# Altium PCB 2-quilter-output.PcbDoc (part 8 of 26) (continued)
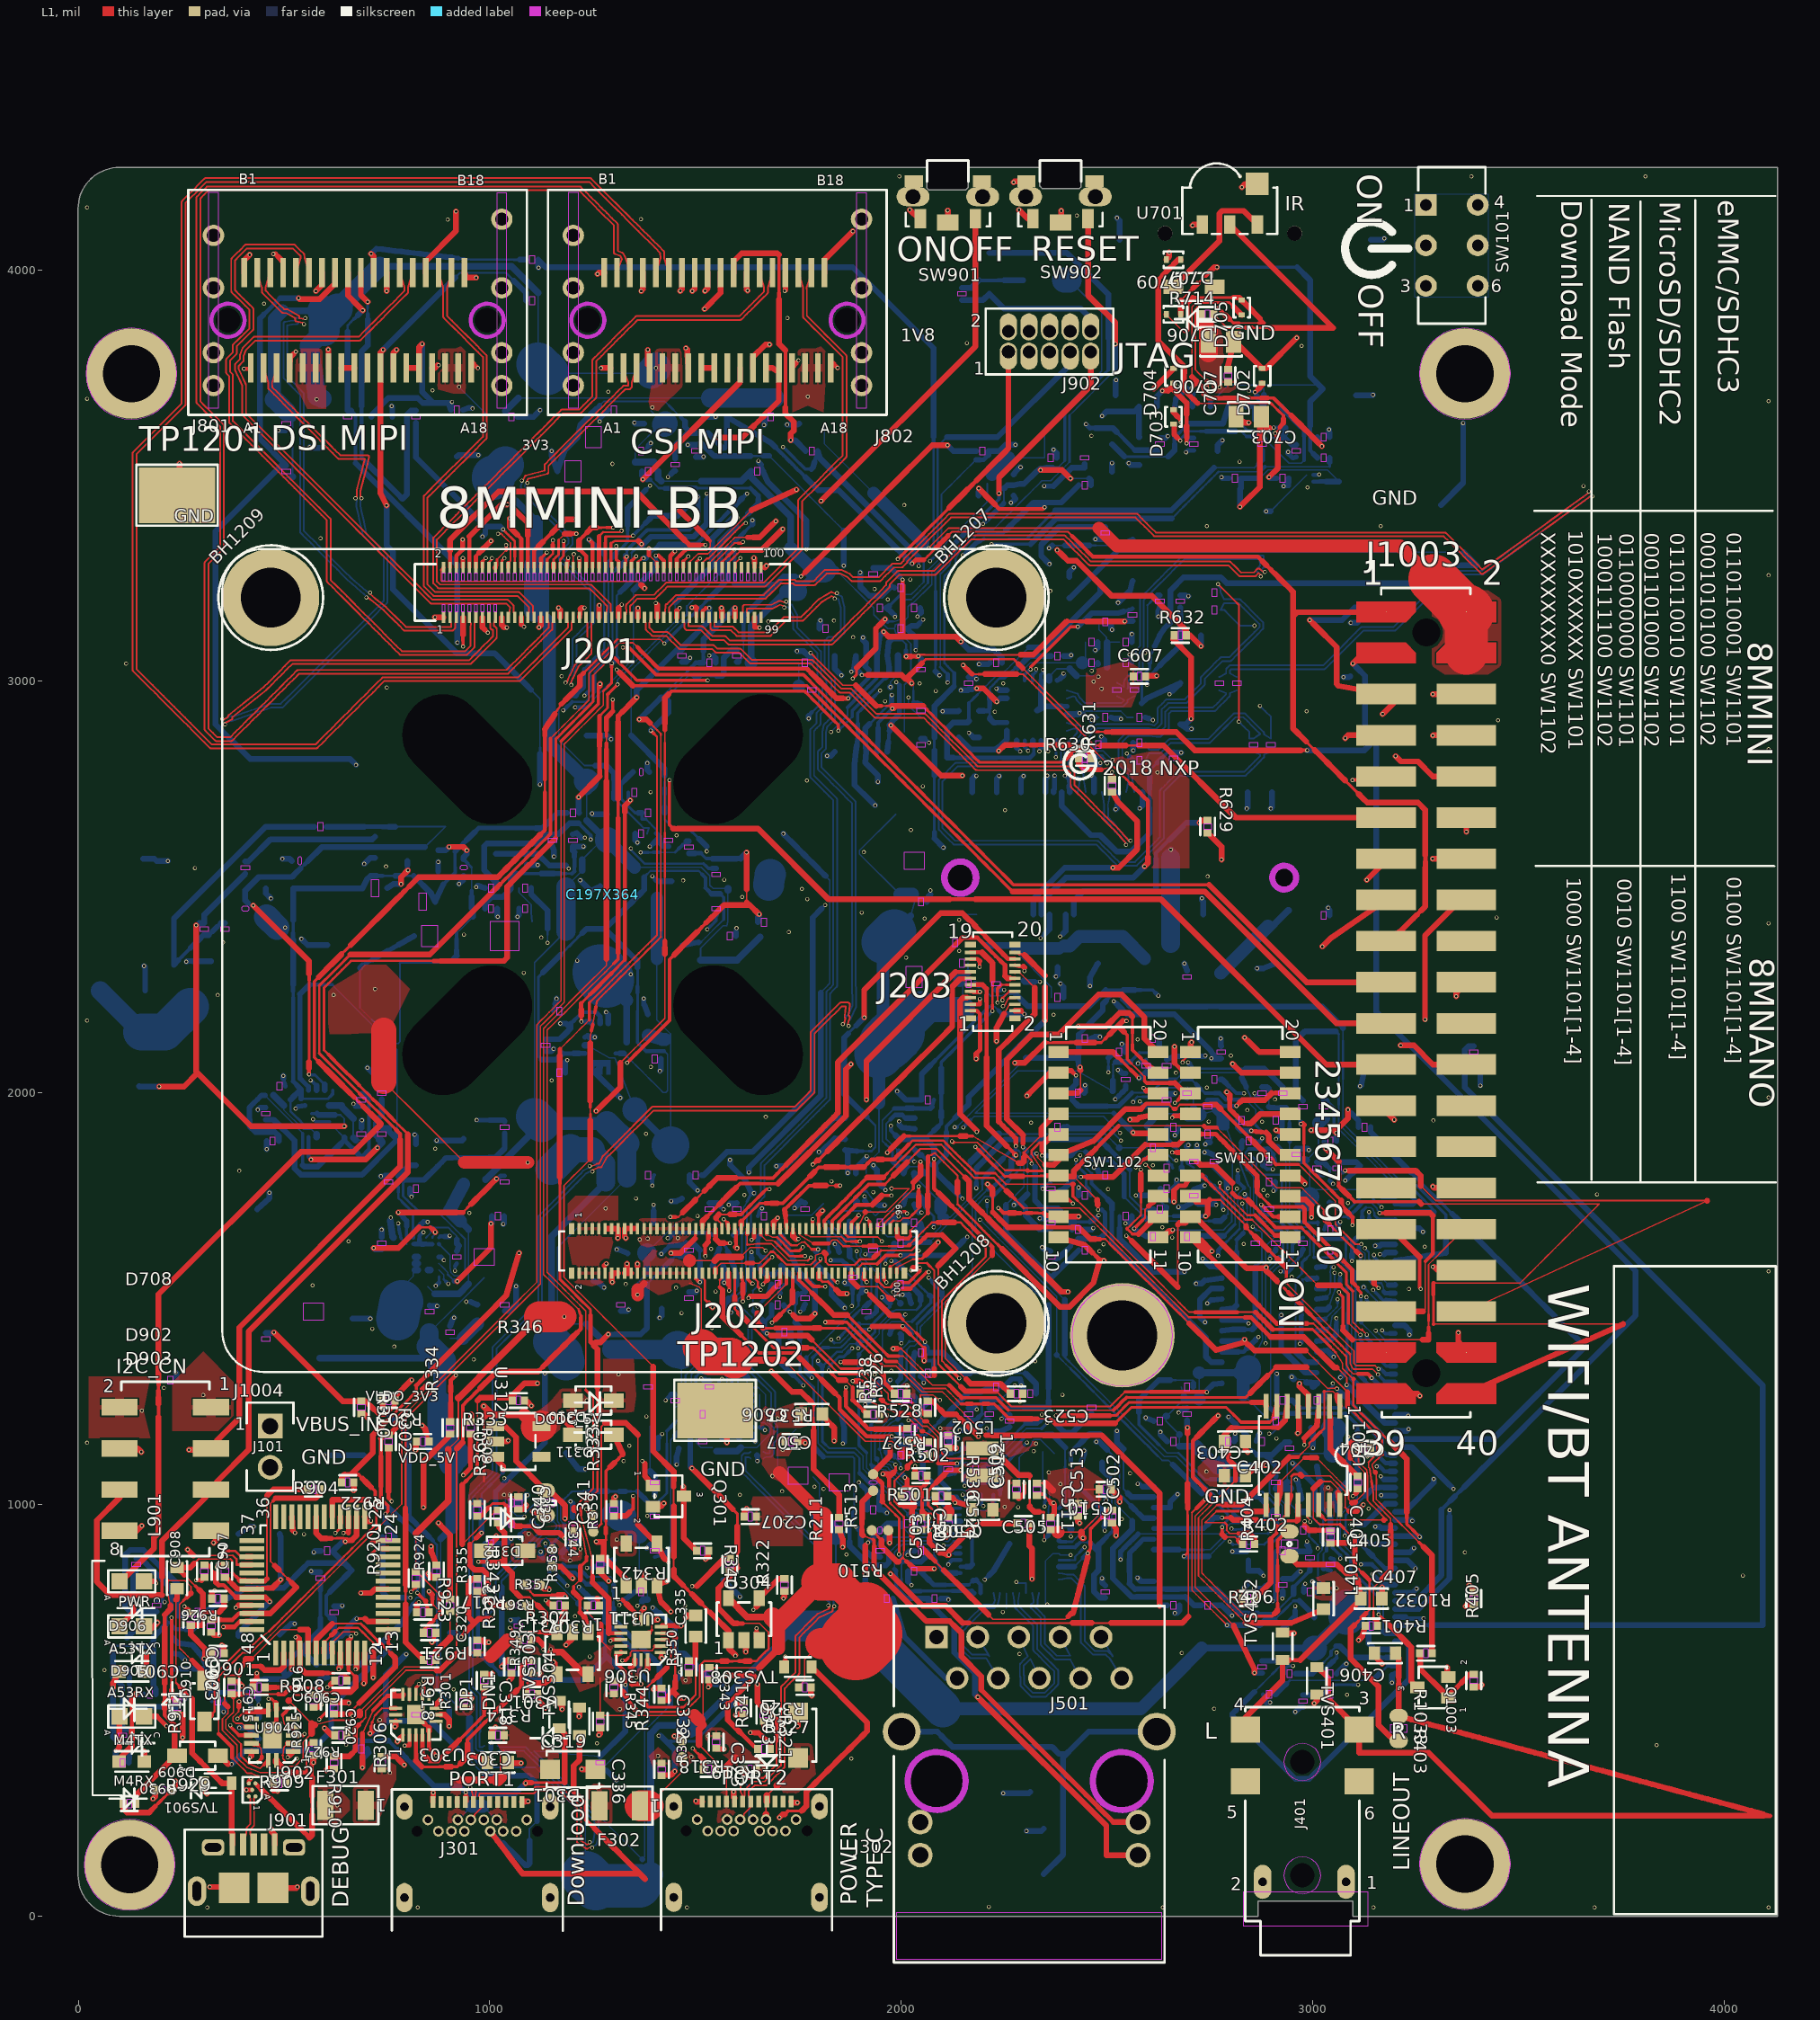
[diagram p0: L1 view]
## Nets (pads, with @x,y where several pads share a name; then routed paths per layer and width w, separated by ;. In a path a pad name is that pad's centre, name@x,y a point inside that pad or via, vN(x,y) a via of type N, cw(c..) or ccw(c..) an arc to the next point about the centre after c; other vN are vias at no path point) (continued)
ETH_TRX1_P: J501.7 U501.14 | length 262.5
  L8 w4.28: U501.14@2334.92,784.12 2333.3,774.62 2331.69,765.13 2331.76,758.29 2331.76,758.16 2331.75,758.04 2331.74,757.92 2331.73,757.79 2331.72,757.67 2331.7,757.55 2331.68,757.43 2331.66,757.31 2331.64,757.19 2331.61,757.07 2331.57,756.96 2331.54,756.84 2331.5,756.72 2331.46,756.61 2331.42,756.5 2331.37,756.38 2331.32,756.27 2331.26,756.16 2331.21,756.05 2331.15,755.95 2331.09,755.84 2331.02,755.74 2330.96,755.64 2330.89,755.54 2330.81,755.44 2330.74,755.34 2330.66,755.25 2330.58,755.16 2330.5,755.07 2330.42,754.98 2330.33,754.89 2330.24,754.81 2330.15,754.73 2330.05,754.65 2329.96,754.57 2329.86,754.5 2329.76,754.43 2329.66,754.36 2329.56,754.3 2329.45,754.23 2329.35,754.17 2324.81,751.68 2336.36,740.13 2347.91,728.58 2347.98,728.5 2348.06,728.41 2348.14,728.32 2348.22,728.23 2348.3,728.13 2348.37,728.04 2348.44,727.94 2348.51,727.84 2348.58,727.73 2348.64,727.63 2348.7,727.52 2348.76,727.41 2348.81,727.3 2348.86,727.19 2348.91,727.08 2348.95,726.97 2349,726.85 2349.04,726.74 2349.07,726.62 2349.11,726.5 2349.14,726.39 2349.16,726.27 2349.19,726.15 2349.21,726.03 2349.23,725.91 2349.24,725.79 2349.25,725.66 2349.26,725.54 2349.26,725.42 2349.27,725.3 2349.27,709.31 2349.27,693.32 2349.27,677.33 2349.27,661.35 2359.02,651.59 2368.78,641.84 2378.53,632.08 2394.9,632.08 2411.26,632.08 2402.93,647.2 2394.59,662.32 J501.7@2386.26,677.44
ETH_TRX2_N: J501.6 U501.18 | length 470.3
  L8 w4.28: U501.18@2271.92,784.12 2273.54,774.46 2275.17,764.8 2275.96,751.41 2275.97,751.29 2275.99,751.17 2276,751.05 2276.02,750.93 2276.04,750.81 2276.07,750.69 2276.09,750.57 2276.12,750.45 2276.16,750.33 2276.19,750.22 2276.24,750.1 2276.28,749.99 2276.32,749.88 2276.37,749.76 2276.43,749.65 2276.48,749.54 2276.54,749.44 2276.6,749.33 2276.66,749.23 2276.73,749.12 2276.8,749.02 2276.87,748.92 2276.94,748.83 2277.02,748.73 2277.1,748.64 2277.18,748.55 2277.26,748.46 2277.32,748.41 2288.36,737.36 2299.4,726.32 2310.45,715.27 2321.49,704.23 2321.49,689.74 2321.49,675.26 2321.49,660.78 2321.49,646.3 2321.5,646.18 2321.5,646.05 2321.51,645.93 2321.52,645.81 2321.53,645.69 2321.55,645.57 2321.57,645.45 2321.6,645.33 2321.62,645.21 2321.65,645.09 2321.69,644.97 2321.72,644.86 2321.76,644.74 2321.8,644.63 2321.85,644.52 2321.9,644.4 2321.95,644.29 2322,644.18 2322.06,644.08 2322.12,643.97 2322.18,643.86 2322.25,643.76 2322.32,643.66 2322.39,643.56 2322.46,643.46 2322.54,643.37 2322.61,643.27 2322.69,643.18 2322.78,643.09 2322.85,643.02 2335.25,630.62 2347.65,618.22 2360.05,605.81 2372.46,593.41 2372.46,579.56 2372.46,565.7 2360.41,553.65 2348.37,541.61 2334.35,541.61 2320.34,541.61 2309.92,552.03 2299.5,562.45 2299.5,572.26 2299.5,582.06 2299.5,582.19 2299.49,582.31 2299.48,582.43 2299.47,582.55 2299.46,582.67 2299.44,582.79 2299.42,582.91 2299.4,583.03 2299.37,583.15 2299.34,583.27 2299.31,583.39 2299.27,583.5 2299.23,583.62 2299.19,583.73 2299.14,583.85 2299.09,583.96 2299.04,584.07 2298.99,584.18 2298.93,584.29 2298.87,584.39 2298.81,584.5 2298.74,584.6 2298.68,584.7 2298.61,584.8 2298.53,584.9 2298.46,584.99 2298.38,585.09 2298.3,585.18 2298.21,585.27 2298.14,585.34 2298.04,585.45 2298.04,596.55 2298.04,607.65 2306.29,615.91 2314.54,624.16 2321.78,608.59 2329.02,593.01 J501.6@2336.26,577.44
ETH_TRX2_P: J501.5 U501.17 | length 507.8
  L8 w4.28: J501.5@2286.26,677.44 2293.5,661.87 2300.74,646.29 2307.98,630.72 2299.05,621.79 2290.11,612.86 2290.03,612.77 2289.95,612.68 2289.87,612.59 2289.79,612.5 2289.71,612.4 2289.64,612.3 2289.57,612.2 2289.5,612.1 2289.44,612 2289.37,611.89 2289.32,611.79 2289.26,611.68 2289.21,611.57 2289.15,611.46 2289.11,611.35 2289.06,611.23 2289.02,611.12 2288.98,611 2288.94,610.89 2288.91,610.77 2288.88,610.65 2288.85,610.53 2288.83,610.41 2288.81,610.29 2288.79,610.17 2288.78,610.05 2288.77,609.93 2288.76,609.81 2288.76,609.68 2288.76,609.58 2288.76,596.55 2288.76,583.53 2288.76,583.4 2288.76,583.28 2288.77,583.16 2288.78,583.04 2288.8,582.92 2288.81,582.8 2288.83,582.68 2288.86,582.56 2288.89,582.44 2288.91,582.32 2288.95,582.2 2288.98,582.09 2289.02,581.97 2289.07,581.86 2289.11,581.74 2289.16,581.63 2289.21,581.52 2289.27,581.41 2289.32,581.3 2289.38,581.2 2289.44,581.09 2289.51,580.99 2289.58,580.89 2289.65,580.79 2289.72,580.69 2289.8,580.6 2289.88,580.5 2289.96,580.41 2290.04,580.32 2290.11,580.24 2290.22,580.14 2290.22,570.33 2290.22,560.53 2290.22,560.41 2290.22,560.28 2290.23,560.16 2290.24,560.04 2290.26,559.92 2290.28,559.8 2290.3,559.68 2290.32,559.56 2290.35,559.44 2290.38,559.32 2290.41,559.21 2290.45,559.09 2290.49,558.97 2290.53,558.86 2290.57,558.75 2290.62,558.63 2290.67,558.52 2290.73,558.41 2290.78,558.31 2290.84,558.2 2290.91,558.1 2290.97,557.99 2291.04,557.89 2291.11,557.79 2291.18,557.69 2291.26,557.6 2291.34,557.5 2291.42,557.41 2291.5,557.32 2291.58,557.25 2303.36,545.47 2315.14,533.69 2315.22,533.6 2315.31,533.52 2315.41,533.44 2315.5,533.36 2315.6,533.29 2315.69,533.21 2315.79,533.14 2315.89,533.07 2316,533.01 2316.1,532.95 2316.21,532.89 2316.32,532.83 2316.43,532.78 2316.54,532.73 2316.65,532.68 2316.76,532.63 2316.88,532.59 2316.99,532.55 2317.11,532.52 2317.23,532.48 2317.34,532.45 2317.46,532.43 2317.58,532.4 2317.7,532.38 2317.82,532.37 2317.95,532.35 2318.07,532.34 2318.19,532.33 2318.31,532.33 2318.42,532.33 2334.35,532.33 2350.29,532.33 2350.41,532.33 2350.53,532.34 2350.66,532.34 2350.78,532.35 2350.9,532.37 2351.02,532.39 2351.14,532.41 2351.26,532.43 2351.38,532.46 2351.5,532.49 2351.61,532.52 2351.73,532.56 2351.84,532.6 2351.96,532.64 2352.07,532.68 2352.18,532.73 2352.29,532.78 2352.4,532.84 2352.51,532.9 2352.62,532.96 2352.72,533.02 2352.83,533.08 2352.93,533.15 2353.03,533.22 2353.12,533.29 2353.22,533.37 2353.31,533.45 2353.4,533.53 2353.49,533.61 2353.57,533.69 2366.97,547.09 2380.38,560.49 2380.46,560.58 2380.54,560.67 2380.62,560.76 2380.7,560.86 2380.78,560.95 2380.85,561.05 2380.92,561.15 2380.99,561.25 2381.05,561.35 2381.12,561.46 2381.18,561.57 2381.23,561.67 2381.29,561.78 2381.34,561.89 2381.39,562.01 2381.43,562.12 2381.47,562.23 2381.51,562.35 2381.55,562.47 2381.58,562.58 2381.61,562.7 2381.64,562.82 2381.66,562.94 2381.68,563.06 2381.7,563.18 2381.71,563.3 2381.72,563.42 2381.73,563.55 2381.73,563.67 2381.74,563.77 2381.74,579.56 2381.74,595.34 2381.73,595.46 2381.73,595.58 2381.72,595.7 2381.71,595.82 2381.7,595.94 2381.68,596.07 2381.66,596.18 2381.63,596.3 2381.61,596.42 2381.58,596.54 2381.54,596.66 2381.51,596.78 2381.47,596.89 2381.42,597.01 2381.38,597.12 2381.33,597.23 2381.28,597.34 2381.23,597.45 2381.17,597.56 2381.11,597.66 2381.05,597.77 2380.98,597.87 2380.91,597.97 2380.84,598.07 2380.77,598.17 2380.69,598.27 2380.61,598.36 2380.53,598.45 2380.45,598.54 2380.38,598.62 2367.98,611.02 2355.58,623.42 2343.17,635.82 2330.77,648.22 2330.77,662.7 2330.77,677.18 2330.77,691.67 2330.77,706.15 2330.77,706.27 2330.77,706.39 2330.76,706.51 2330.75,706.64 2330.73,706.76 2330.72,706.88 2330.7,707 2330.67,707.12 2330.64,707.24 2330.61,707.35 2330.58,707.47 2330.54,707.59 2330.51,707.7 2330.46,707.82 2330.42,707.93 2330.37,708.04 2330.32,708.15 2330.26,708.26 2330.21,708.37 2330.15,708.48 2330.08,708.58 2330.02,708.68 2329.95,708.79 2329.88,708.89 2329.81,708.98 2329.73,709.08 2329.65,709.17 2329.57,709.26 2329.49,709.35 2329.41,709.43 2318.34,720.5 2307.27,731.58 2296.2,742.65 2285.12,753.72 2284.43,765.35 U501.17@2287.67,784.12
ETH_TRX3_N: J501.4 U501.21 | length 310.5
  L8 w4.28: U501.21@2224.68,784.12 2228.13,766.47 2226.08,759.94 2222.64,756.46 2213.07,756.46 2203.51,756.46 2203.38,756.46 2203.26,756.45 2203.14,756.44 2203.02,756.43 2202.9,756.42 2202.78,756.4 2202.66,756.38 2202.54,756.36 2202.42,756.33 2202.3,756.3 2202.18,756.26 2202.07,756.23 2201.95,756.19 2201.84,756.15 2201.72,756.1 2201.61,756.05 2201.5,756 2201.39,755.95 2201.28,755.89 2201.18,755.83 2201.07,755.77 2200.97,755.7 2200.87,755.63 2200.77,755.56 2200.67,755.49 2200.58,755.42 2200.48,755.34 2200.39,755.26 2200.3,755.17 2200.23,755.1 2188.99,743.86 2177.75,732.63 2166.52,721.39 2155.28,710.15 2144.04,698.92 2143.96,698.83 2143.87,698.74 2143.79,698.65 2143.72,698.55 2143.64,698.46 2143.57,698.36 2143.5,698.26 2143.43,698.16 2143.36,698.05 2143.3,697.95 2143.24,697.84 2143.19,697.74 2143.13,697.63 2143.08,697.52 2143.03,697.4 2142.99,697.29 2142.95,697.18 2142.91,697.06 2142.87,696.94 2142.84,696.83 2142.81,696.71 2142.78,696.59 2142.76,696.47 2142.74,696.35 2142.72,696.23 2142.71,696.11 2142.7,695.99 2142.69,695.86 2142.68,695.74 2142.68,695.63 2142.68,681.6 2142.68,667.56 2142.68,653.52 2142.68,653.39 2142.69,653.27 2142.7,653.15 2142.71,653.03 2142.72,652.91 2142.74,652.79 2142.76,652.67 2142.79,652.55 2142.81,652.43 2142.84,652.31 2142.88,652.19 2142.91,652.08 2142.95,651.96 2142.99,651.85 2143.04,651.73 2143.09,651.62 2143.14,651.51 2143.19,651.4 2143.25,651.29 2143.31,651.19 2143.37,651.08 2143.44,650.98 2143.51,650.88 2143.58,650.78 2143.65,650.68 2143.73,650.59 2143.8,650.49 2143.88,650.4 2143.97,650.31 2144.04,650.24 2155.55,638.72 2167.07,627.21 2167.15,627.13 2167.24,627.04 2167.34,626.96 2167.43,626.89 2167.52,626.81 2167.62,626.74 2167.72,626.67 2167.82,626.6 2167.93,626.53 2168.03,626.47 2168.14,626.41 2168.25,626.36 2168.36,626.3 2168.47,626.25 2168.58,626.2 2168.69,626.16 2168.81,626.12 2168.92,626.08 2169.04,626.04 2169.16,626.01 2169.27,625.98 2169.39,625.95 2169.51,625.93 2169.63,625.91 2169.75,625.89 2169.88,625.88 2170,625.87 2170.12,625.86 2170.24,625.85 2170.35,625.85 2188.32,625.85 2206.29,625.85 2207.98,624.16 2217.41,608.59 2226.83,593.01 J501.4@2236.26,577.44
ETH_TRX3_P: J501.3 U501.20 | length 302.8
  L8 w4.28: J501.3@2186.26,677.44 2195.69,661.87 2205.11,646.29 2214.54,630.72 2211.49,633.77 2211.4,633.86 2211.31,633.94 2211.22,634.02 2211.13,634.1 2211.03,634.18 2210.93,634.25 2210.83,634.32 2210.73,634.39 2210.63,634.45 2210.52,634.51 2210.42,634.57 2210.31,634.63 2210.2,634.68 2210.09,634.73 2209.98,634.78 2209.86,634.83 2209.75,634.87 2209.63,634.91 2209.52,634.94 2209.4,634.98 2209.28,635.01 2209.16,635.03 2209.04,635.06 2208.92,635.08 2208.8,635.09 2208.68,635.11 2208.56,635.12 2208.44,635.13 2208.32,635.13 2208.21,635.13 2190.24,635.13 2172.27,635.13 2162.12,645.29 2151.96,655.44 2151.96,668.2 2151.96,680.95 2151.96,693.71 2165.33,707.08 2178.7,720.44 2192.06,733.81 2205.43,747.18 2215,747.18 2224.57,747.18 2224.69,747.18 2224.81,747.18 2224.93,747.19 2225.06,747.2 2225.18,747.22 2225.3,747.24 2225.42,747.26 2225.54,747.28 2225.66,747.31 2225.77,747.34 2225.89,747.37 2226.01,747.41 2226.12,747.45 2226.24,747.49 2226.35,747.53 2226.46,747.58 2226.57,747.63 2226.68,747.69 2226.79,747.74 2226.9,747.8 2227,747.87 2227.11,747.93 2227.21,748 2227.31,748.07 2227.4,748.14 2227.5,748.22 2227.59,748.3 2227.68,748.38 2227.77,748.46 2227.85,748.54 2228.64,749.32 ; 2228.66,749.34 2233.47,754.22 2233.56,754.31 2233.64,754.4 2233.72,754.49 2233.8,754.58 2233.87,754.68 2233.95,754.78 2234.01,754.88 2234.08,754.98 2234.15,755.08 2234.21,755.19 2234.27,755.3 2234.32,755.4 2234.38,755.51 2234.43,755.63 2234.47,755.74 2234.52,755.85 2234.56,755.97 2234.6,756.08 2236.99,763.69 2238.71,773.9 U501.20@2240.43,784.12
EX_POR_B: R210.2 U201.3 U204.4 | length 2958.5
  L1 w9.96: 2228.55,3428.95 2238.49,3419.01 2253.65,3419.01 2268.81,3419.01 2283.96,3419.01 2299.12,3419.01 2314.28,3419.01 2329.44,3419.01 2344.59,3419.01 v1(2348.79,3423.21)
  L1 w14.05: v1(2188.79,3468.71) 2198.73,3458.77 2208.67,3448.83 2218.61,3438.89 2228.55,3428.95
  L3 w3.5: 2292.24,1991.52 2303.27,1980.49
  L3 w4.85: 2093.76,2403.95 2093.76,2419.24 2093.76,2434.52 ; 2093.76,2495.65 2093.76,2510.93 2093.76,2526.21 2093.76,2541.49 2093.76,2556.78
  L3 w5.87: 2303.27,1980.49 2314.3,1969.46
  L3 w6.9: 2181.97,2101.79 2193,2090.76 2204.03,2079.73
  L3 w7.92: 2093.76,2434.52 2093.76,2449.8 ; 2281.22,2002.55 2292.24,1991.52 ; 2424.57,1859.2 v1(2435.59,1848.17)
  L3 w13.03: 2093.76,2480.36 2093.76,2495.65
  L3 w14.05: 2093.76,2403.95 2093.76,2388.67 2093.76,2373.39 2093.76,2358.11 2093.76,2342.82 2093.76,2327.54 2093.76,2312.26 2093.76,2296.98 2093.76,2281.69 2093.76,2266.41 2093.76,2251.13 2093.76,2235.85 2093.76,2220.57 2093.76,2205.28 2093.76,2190 2104.79,2178.97 2115.81,2167.95 2126.84,2156.92 2137.87,2145.89 2148.89,2134.87 2159.92,2123.84 2170.95,2112.81 2181.97,2101.79 ; 2093.76,2449.8 2093.76,2465.08 2093.76,2480.36 ; 2093.76,2556.78 2093.76,2572.06 2093.76,2587.34 v1(2102.68,2596.26) ; 2204.03,2079.73 2215.06,2068.71 2226.08,2057.68 2237.11,2046.65 2248.14,2035.63 2259.16,2024.6 2270.19,2013.57 2281.22,2002.55 ; 2314.3,1969.46 2325.32,1958.44 2336.35,1947.41 2347.38,1936.38 2358.4,1925.36 2369.43,1914.33 2380.46,1903.3 2391.48,1892.28 2402.51,1881.25 2413.54,1870.22 2424.57,1859.2
  L8 w3.5: 2132.84,3297.24 2137.29,3305.16 2141.75,3313.07 2150.71,3322.04 2159.68,3331 2168.64,3339.96 2177.6,3348.93 2186.57,3357.89 ; 2435.59,1831.29 2435.59,1837.22 v1(2435.59,1848.17)
  L8 w3.83: 2186.57,3357.89 2196.96,3357.89 2207.36,3357.89
  L8 w4.85: 2435.59,1831.29 2444.88,1822.01 2454.16,1812.72 2463.45,1803.44
  L8 w5.87: 2105.48,3253.03 2105.48,3238.1 2105.48,3223.17 2105.48,3208.24 2105.48,3193.31 2105.48,3178.38 2105.48,3163.45 2105.48,3148.52 2105.48,3133.59 2105.48,3118.66 2105.48,3103.73 2105.48,3088.8 2105.48,3073.87 2105.48,3058.94 2105.48,3044.01 2113.38,3036.1 2121.29,3028.2 2129.2,3020.29 ; 2105.48,3253.03 2105.48,3254.65 2106.92,3257.21 2116.25,3266.54 2125.58,3275.87 2132.84,3283.13 2132.84,3297.24
  L8 w6.9: 2081,2633.25 2081,2648.58 2081,2663.9 2081,2679.22 2081,2694.55 2081,2709.87 2081,2725.19 2081,2740.52 2081,2755.84 2081,2771.16 ; 2081,2832.45 2081,2847.78 2081,2863.1 ; 2207.37,3357.9 2220.13,3357.9 2232.89,3357.9
  L8 w7.92: 2232.89,3357.9 2245.65,3357.9 2254.89,3367.15
  L8 w8.94: 2463.45,1803.44 2463.45,1791.5 2463.45,1779.56 2473.22,1769.79 2482.98,1760.02
  L8 w9.96: 2129.2,2987.91 2129.2,2998.7 2129.2,3009.49 2129.2,3020.29 ; v1@2188.29,3468.21 v1(2188.79,3468.71) ; 2482.98,1760.02 2492.75,1750.26 2502.52,1740.49
  L8 w10.99: 2188.29,3459.72 v1@2188.29,3468.21 ; 2512.29,1647.5 2512.29,1661.37 2512.29,1675.24 2512.29,1689.11 2512.29,1702.98 2512.29,1716.85
  L8 w12.01: 2081,2617.93 2081,2633.25
  L8 w13.03: 2119.56,2978.27 2129.2,2987.91 ; 2512.29,1633.63 2512.29,1647.5
  L8 w14.05: 2081,2617.93 v1(2102.68,2596.26) ; 2081,2771.16 2081,2786.48 2081,2801.81 2081,2817.13 2081,2832.45 ; 2081,2863.1 2081,2878.42 2081,2893.75 2081,2909.07 2081,2924.39 2081,2939.72 2090.64,2949.35 2100.28,2958.99 2109.92,2968.63 2119.56,2978.27 ; U204.4@2188.29,3451.22 2188.29,3459.72 ; 2254.89,3367.15 2264.13,3376.39 2273.38,3385.64 2282.62,3394.88 ; v1(2348.79,3423.21) 2310.95,3423.21 2282.63,3394.88 2295.2,3407.45 2322.24,3434.49 2389.35,3434.49 R210.2@2431.68,3476.82 ; 2502.52,1740.49 2512.29,1730.72 2512.29,1716.85 ; 2512.29,1633.63 2741.34,1404.57 2741.34,1358.09 2754.18,1345.26 U201.3@2779.79,1345.26
EXP_IO0: R1019.2 U201.6 | length 595.6
  L6 w8.94: 2975.44,1750.45 2986.27,1761.27 2997.09,1772.1 ; 3007.92,1782.92 3018.75,1793.75 v1(3029.57,1804.57)
  L6 w9.96: 2964.62,1739.62 2975.44,1750.45
  L6 w12.01: v1(2855.1,1674.67) 2869.96,1674.67 2884.81,1674.67 2899.67,1674.67 2910.49,1685.49 ; 2997.09,1772.1 3007.92,1782.92
  L6 w14.05: 2910.49,1685.49 2921.32,1696.32 2932.14,1707.14 2942.97,1717.97 2953.79,1728.8 2964.62,1739.62
  L8 w3.5: 2864.1,1665.67 2871.51,1665.67 2876.99,1660.18 2876.99,1646.61 2876.99,1633.03 2876.99,1619.46 2876.99,1605.89 2876.99,1592.31
  L8 w5.87: 2861.24,1576.56 2870.49,1585.81 2876.99,1592.31
  L8 w6.9: v1(2855.1,1674.67) 2864.1,1665.67
  L8 w7.92: v1@3026.91,1801.91 v1(3029.57,1804.57)
  L8 w8.94: 2835.38,1424.7 2849.68,1424.7
  L8 w10.99: 2849.68,1424.7 2853.63,1424.7
  L8 w13.03: R1019.2@3018.67,1801.91 v1@3026.91,1801.91
  L8 w14.05: U201.6@2779.79,1422.03 2806.77,1424.7 2821.07,1424.7 2835.38,1424.7 ; 2853.63,1424.7 2861.24,1432.31 2861.24,1576.56 ; R1019.2@3010.43,1801.91 R1019.2@3018.67,1801.91
EXP_IO1: R1020.2 U201.7 | length 1089.2
  L6 w3.5: 3059.45,1136.2 3059.45,1125.39 3059.45,1114.58 3059.45,1099.78 3059.45,1084.98 3059.45,1070.19 3059.45,1055.39 3059.45,1040.59 3059.45,1025.8 3059.45,1011 3069.92,1000.53 3080.39,990.06 3090.86,979.6 3101.33,969.13 3111.79,958.66 3122.26,948.19 3132.73,937.72 3143.2,927.25 3143.2,913.58 3143.2,899.91 3143.2,886.23 3143.2,872.56 3143.2,858.89 3143.2,845.22
  L6 w6.9: 3132.61,834.62 3143.2,845.21
  L6 w7.92: v1(3058.48,639.17) 3058.48,654.34 ; 3058.48,745.32 3058.48,760.48 3069.07,771.07
  L6 w8.94: 3122.02,824.03 3132.61,834.62
  L6 w10.99: v1(2844.46,1439.26) 2852.85,1430.87 2852.85,1417.31 2852.85,1403.75 2852.85,1390.2
  L6 w13.03: 3069.07,771.07 3079.66,781.66 3090.25,792.25 3100.84,802.85 3111.43,813.44 3122.02,824.03
  L6 w14.05: 2852.85,1390.2 2852.85,1376.64 2852.85,1363.08 2852.85,1349.53 2852.85,1342.8 3059.45,1136.2 ; 3058.48,654.34 3058.48,669.5 3058.48,684.66 3058.48,699.83 3058.48,714.99 3058.48,730.15 3058.48,745.32
  L8 w7.92: R1020.2@3028.87,588.15 3033.63,602.17 ; 3058.48,627.02 v1(3058.48,639.17)
  L8 w8.94: 2836.1,1447.62 v1(2844.46,1439.26)
  L8 w9.96: 3033.63,602.17 3041.91,610.46 ; 3050.19,618.74 3058.48,627.02
  L8 w13.03: 3041.91,610.46 3050.19,618.74
  L8 w14.05: U201.7@2779.79,1447.63 2836.1,1447.62
EXP_IO2: R1021.2 U201.8 | length 1092.8
  L6 w3.5: 2818.16,1751.16 2827.58,1763.39
  L6 w3.83: 2827.58,1763.39 2838.25,1774.06 2848.92,1784.74 2859.6,1795.41 2870.27,1806.08 2880.94,1816.75 2891.61,1827.42
  L6 w7.92: 2891.61,1827.42 2902.28,1838.09
  L6 w13.03: 2818.16,1751.16 2818.16,1742.21 2823.8,1736.57
  L6 w14.05: 2823.8,1736.57 v1(2829.44,1730.93) ; 2902.28,1838.09 2912.95,1848.77 2923.63,1859.44 2934.3,1870.11 2944.97,1880.78 3271.06,1880.78 v1(3407.93,2017.64)
  L8 w3.5: v1(2829.44,1730.93) 2830.89,1722.77 2832.34,1714.6 2832.34,1700.83 2832.34,1687.06 2832.34,1673.28 2832.34,1659.51
  L8 w6.9: 2815.58,1627.66 2815.58,1642.75
  L8 w7.92: 2815.58,1483.41 2815.58,1491.85 2815.58,1506.94 2815.58,1522.03 2815.58,1537.12 2815.58,1552.21 2815.58,1567.3 2815.58,1582.39 2815.58,1597.48 ; 2815.58,1612.57 2815.58,1627.66
  L8 w10.99: 2815.58,1642.75 2823.96,1651.13 2832.34,1659.51
  L8 w14.05: U201.8@2779.79,1473.22 2808.2,1476.02 2815.58,1483.41 ; 2815.58,1597.48 2815.58,1612.57 ; R1021.2@3391.99,2084.13 3407.93,2068.19 3407.93,2036.75 v1(3407.93,2017.64)
EXP_IO3: R1022.2 U201.9 | length 331.5
  L6 w5.87: 2889.02,1532.93 2900.17,1544.08 2911.32,1555.23 v1(2922.47,1566.38)
  L6 w10.99: 2815.88,1488.33 2830.15,1488.33 2844.42,1488.33 2855.57,1499.48 ; 2877.87,1521.78 2889.02,1532.93
  L6 w14.05: v1(2744.52,1488.33) 2758.79,1488.33 2773.06,1488.33 2787.33,1488.33 2801.61,1488.33 2815.88,1488.33 ; 2855.57,1499.48 2866.72,1510.63 2877.87,1521.78
  L8 w7.92: 2958.65,1585.75 2963.45,1594.38 2970.37,1606.83
  L8 w9.96: v1(2922.47,1566.38) 2931.73,1566.38
  L8 w12.01: v1(2744.52,1488.33) 2745.16,1488.33 U201.9@2752.97,1496.15 ; 2931.73,1566.38 2939.28,1566.38
  L8 w14.05: U201.9@2752.97,1496.15 U201.9@2779.79,1498.81 ; 2939.28,1566.38 2958.65,1585.75 ; 2970.37,1606.83 R1022.2@2977.28,1619.28
EXP_IO4: R1023.2 U201.10 | length 1112.6
  L1 w3.5: 2751.23,1023.89 2751.23,1015.73 2751.23,1007.56 2746.35,1002.69 2735.84,992.18 2725.33,981.66 2714.82,971.15 2714.82,955.49 2714.82,939.82 2714.82,924.16 2714.82,908.49 2714.82,892.83 2714.82,877.16 2714.82,861.5 2714.82,845.83 2714.82,830.17 2714.82,814.5 2714.82,798.84 2725.22,788.43 2735.63,778.02 2746.04,767.61 2756.45,757.2 2766.86,746.79 2777.27,736.38 2787.68,725.97 2798.09,715.56 2808.5,705.15
  L1 w9.96: 2719.51,1164.35 2709.33,1154.17 2709.33,1139.44 2709.33,1124.71 2709.33,1109.98 2709.33,1095.25 2709.33,1080.52 2709.33,1065.79 2718.83,1056.29 2728.34,1046.78 2737.85,1037.27
  L1 w12.01: 2737.85,1037.27 2747.36,1027.76 2751.23,1023.89
  L1 w14.05: 2719.51,1164.35 2729.69,1174.53 2739.87,1184.71 2750.05,1194.89 2760.23,1205.07 v1(2770.41,1215.25) ; 2808.5,705.15 2859,599.21 v1(2859.01,590.64)
  L3 w13.03: v1(2738.76,1442.59) 2746.67,1430.31
  L3 w14.05: 2746.67,1430.31 2754.58,1418.04 2762.49,1405.77 2770.41,1393.49 v1(2770.41,1215.25)
  L8 w14.05: v1(2738.76,1442.59) 2726.2,1455.14 2726.2,1496.72 2753.87,1524.39 U201.10@2779.79,1524.4 ; v1(2859.01,590.64) 2859.66,589.98 R1023.2@2877.76,589.98
EXP_IO5: R1024.2 U201.11 | length 919.1
  L6 w3.5: 2922.95,1114.03 2922.95,1127.75 2922.95,1141.47 2922.95,1155.2 2922.95,1168.92
  L6 w8.94: v1(2717.36,1536.18) 2717.36,1521.48 2717.36,1506.78 2717.36,1492.08 2717.36,1477.39 2717.36,1462.69 2717.36,1447.99 2717.36,1433.3 2717.36,1418.6 2717.36,1403.9 2717.36,1389.21 2717.36,1374.51 2728.18,1363.69 ; 2782.28,1309.58 2793.11,1298.76 2803.93,1287.94 2814.75,1277.12 2825.57,1266.3 2836.39,1255.48 2847.21,1244.66 2858.03,1233.84 2868.85,1223.02 2879.67,1212.2 2890.49,1201.38 2901.31,1190.56 2912.13,1179.74 2922.95,1168.92
  L6 w9.96: v1@2951.86,1100.31 v1(2952.09,1100.08)
  L6 w10.99: 2937.41,1100.31 v1@2951.86,1100.31
  L6 w12.01: 2771.46,1320.41 2782.28,1309.58
  L6 w14.05: 2728.18,1363.69 2739,1352.87 2749.82,1342.05 2760.64,1331.23 2771.46,1320.41 ; 2922.95,1114.03 2936.67,1100.31 2937.41,1100.31
  L8 w3.83: 3026.33,952.64 3026.33,938.79 3026.33,924.94 3026.33,911.09 3034.35,903.07 ; 3026.78,879.63 3034.35,887.21
  L8 w4.85: 3026.33,952.64 3026.33,966.49 ; 3026.78,855.91 3026.78,867.77 3026.78,879.63
  L8 w5.87: 3026.78,844.08 3026.78,855.91
  L8 w7.92: 3034.35,887.21 3034.35,895.14 3034.35,903.07
  L8 w8.94: 3026.82,844.03 R1024.2@3035.2,841.52
  L8 w9.96: 3005.27,987.55 3015.8,977.02 3026.33,966.49
  L8 w10.99: R1024.2@3035.2,841.52 R1024.2@3043.63,839.01
  L8 w14.05: v1(2717.36,1536.18) 2730.18,1536.18 2737.75,1543.74 U201.11@2779.79,1549.99 ; v1(2952.09,1100.08) 2964.26,1087.9 3005.27,1046.89 3005.27,987.55 ; 3026.82,844.03 3026.78,844.08
EXP_IO6: R1025.2 U201.13 | length 1345.3
  L3 w8.94: 3246.56,926.39 3256.56,936.39 ; 3266.56,946.39 3276.56,956.39 3286.56,966.39 3296.56,976.39
  L3 w9.96: 3256.56,936.39 3266.56,946.39
  L3 w10.99: 3086.07,1308.48 3097,1297.55 ; 3217.24,1177.31 3228.17,1166.38 ; 3236.26,916.09 3246.56,926.39
  L3 w12.01: v1(3068.01,1308.48) 3077.04,1308.48 ; 3097,1297.55 3107.93,1286.62 ; 3296.56,976.39 3306.56,986.39
  L3 w14.05: v1(2952.47,607.31) 3225.5,880.33 3236.26,916.09 ; 3077.04,1308.48 3086.07,1308.48 ; 3107.93,1286.62 3118.86,1275.69 3129.79,1264.76 3140.72,1253.83 3151.65,1242.89 3162.59,1231.96 3173.52,1221.03 3184.45,1210.1 3195.38,1199.17 3206.31,1188.24 3217.24,1177.31 ; 3228.17,1166.38 3239.1,1155.44 3250.04,1144.51 3260.97,1133.58 3271.9,1122.65 3282.83,1111.72 3293.76,1100.79 3304.69,1089.86 3315.62,1078.92 3316.56,1077.99 3316.56,996.39 3306.56,986.39
  L8 w3.83: 3055.23,1588.06 3064.73,1578.56
  L8 w4.85: 3039.17,1588.06 3047.2,1588.06 3055.23,1588.06 ; 3064.73,1578.56 3074.23,1569.06 3083.73,1559.56 3083.73,1543.87 ; 3083.73,1465.42 3083.73,1481.11 3083.73,1496.8 3083.73,1512.49
  L8 w6.9: U201.13@3029.53,1578.43 3039.17,1588.06
  L8 w7.92: R1025.2@2929.35,595.98 2935.01,601.64 2940.68,607.31 v1(2952.47,607.31) ; 3075.87,1316.34 3083.73,1324.21 3083.73,1339.9 3083.73,1355.59 3083.73,1371.28 3083.73,1386.97 3083.73,1402.66 3083.73,1418.35 3083.73,1434.04 3083.73,1449.73 3083.73,1465.42 ; 3083.73,1512.49 3083.73,1528.18 3083.73,1543.87
  L8 w14.05: R1025.2@2929.35,588.15 R1025.2@2929.35,595.98 ; U201.13@3010.29,1575.58 U201.13@3029.53,1578.43 ; v1(3068.01,1308.48) 3075.87,1316.34
EXP_IO7: R1026.2 U201.14 | length 1416.2
  L6 w3.5: 3073.16,1207.25 3073.16,1191.98 3073.16,1176.71 3073.16,1161.44 3073.16,1146.17 3073.16,1130.9 3073.16,1115.63 3073.16,1100.36 3073.16,1085.08 3073.16,1069.81 3073.16,1054.54 3073.16,1039.27 3073.16,1024 3073.16,1008.73 3084.25,997.65 3095.33,986.56 3106.42,975.48 3117.5,964.39 3128.59,953.31 3139.67,942.22 3150.76,931.14 3161.84,920.05 3172.93,908.97 3184.01,897.88 3195.1,886.8 3206.18,875.71 3217.27,864.63
  L6 w10.99: 2969.76,1375.38 v1(2969.76,1390.39)
  L6 w14.05: v1(2896.75,518.28) 2982.55,518.28 2997.16,532.89 3054.89,532.89 3217.27,695.28 3217.27,864.63 ; 2969.76,1375.38 2969.76,1360.38 2969.76,1345.37 2969.76,1330.37 2969.76,1315.58 3073.16,1212.19 3073.16,1207.25
  L8 w5.87: 2975.17,1531.95 2975.17,1546.5 U201.14@2986.88,1547.66
  L8 w6.9: 2975.17,1459.2 2975.17,1473.75 2975.17,1488.3 2975.17,1502.85 2975.17,1517.4 2975.17,1531.95
  L8 w7.92: v1(2969.76,1390.39) v1@2972.88,1393.5
  L8 w8.94: 2882.59,528.32 2884.63,521.52 ; 2972.88,1456.92 2975.17,1459.2
  L8 w9.96: R1026.2@2879.57,538.34 2882.59,528.32
  L8 w12.01: 2887.87,518.28 v1(2896.75,518.28) ; v1@2972.88,1393.5 2972.88,1406.19 2972.88,1418.87 2972.88,1431.55 2972.88,1444.24 2972.88,1456.92
  L8 w14.05: 2884.63,521.52 2887.87,518.28 ; U201.14@2986.88,1547.66 2998.59,1548.82 U201.14@3010.29,1549.99
EXP_IO8: J1003.12 U201.15 | length 1468.9
  L1 w14.05: v1(3374.07,2634.57) 3374.07,2643.78 J1003.12@3374.07,2668.79
  L6 w7.92: v1(3051.08,1576.28) v1@3051.08,1580.47
  L6 w9.96: 3032.1,1784.53 3042.84,1795.27 ; 3064.33,1816.76 3075.07,1827.5
  L6 w12.01: 3032.1,1769.1 3032.1,1784.53 ; 3042.84,1795.27 3053.59,1806.01
  L6 w13.03: 3053.59,1806.01 3064.33,1816.76
  L6 w14.05: 3032.1,1769.1 3032.1,1753.68 3032.1,1738.26 3032.1,1722.83 3032.1,1707.41 3032.1,1691.99 3032.1,1676.57 3032.1,1661.14 3032.1,1645.72 3032.1,1630.3 3032.1,1614.88 3032.1,1599.45 v1@3051.08,1580.47 ; 3075.07,1827.5 3245.14,1827.5 3427.27,2009.62 3427.27,2581.37 v1(3374.07,2634.57)
  L8 w3.5: 3044.33,1556.56 3042.61,1564.25 3045.67,1576.28
  L8 w3.83: U201.15@3036.86,1531.86 3044.33,1539.33 3044.33,1547.95 3044.33,1556.56
  L8 w4.85: U201.15@3029.4,1524.4 U201.15@3036.86,1531.86
  L8 w7.92: 3045.67,1576.28 v1(3051.08,1576.28)
  L8 w14.05: U201.15@3010.29,1524.4 U201.15@3029.4,1524.39